# Allegro board BeagleBone_Green_v1.brd (continued)
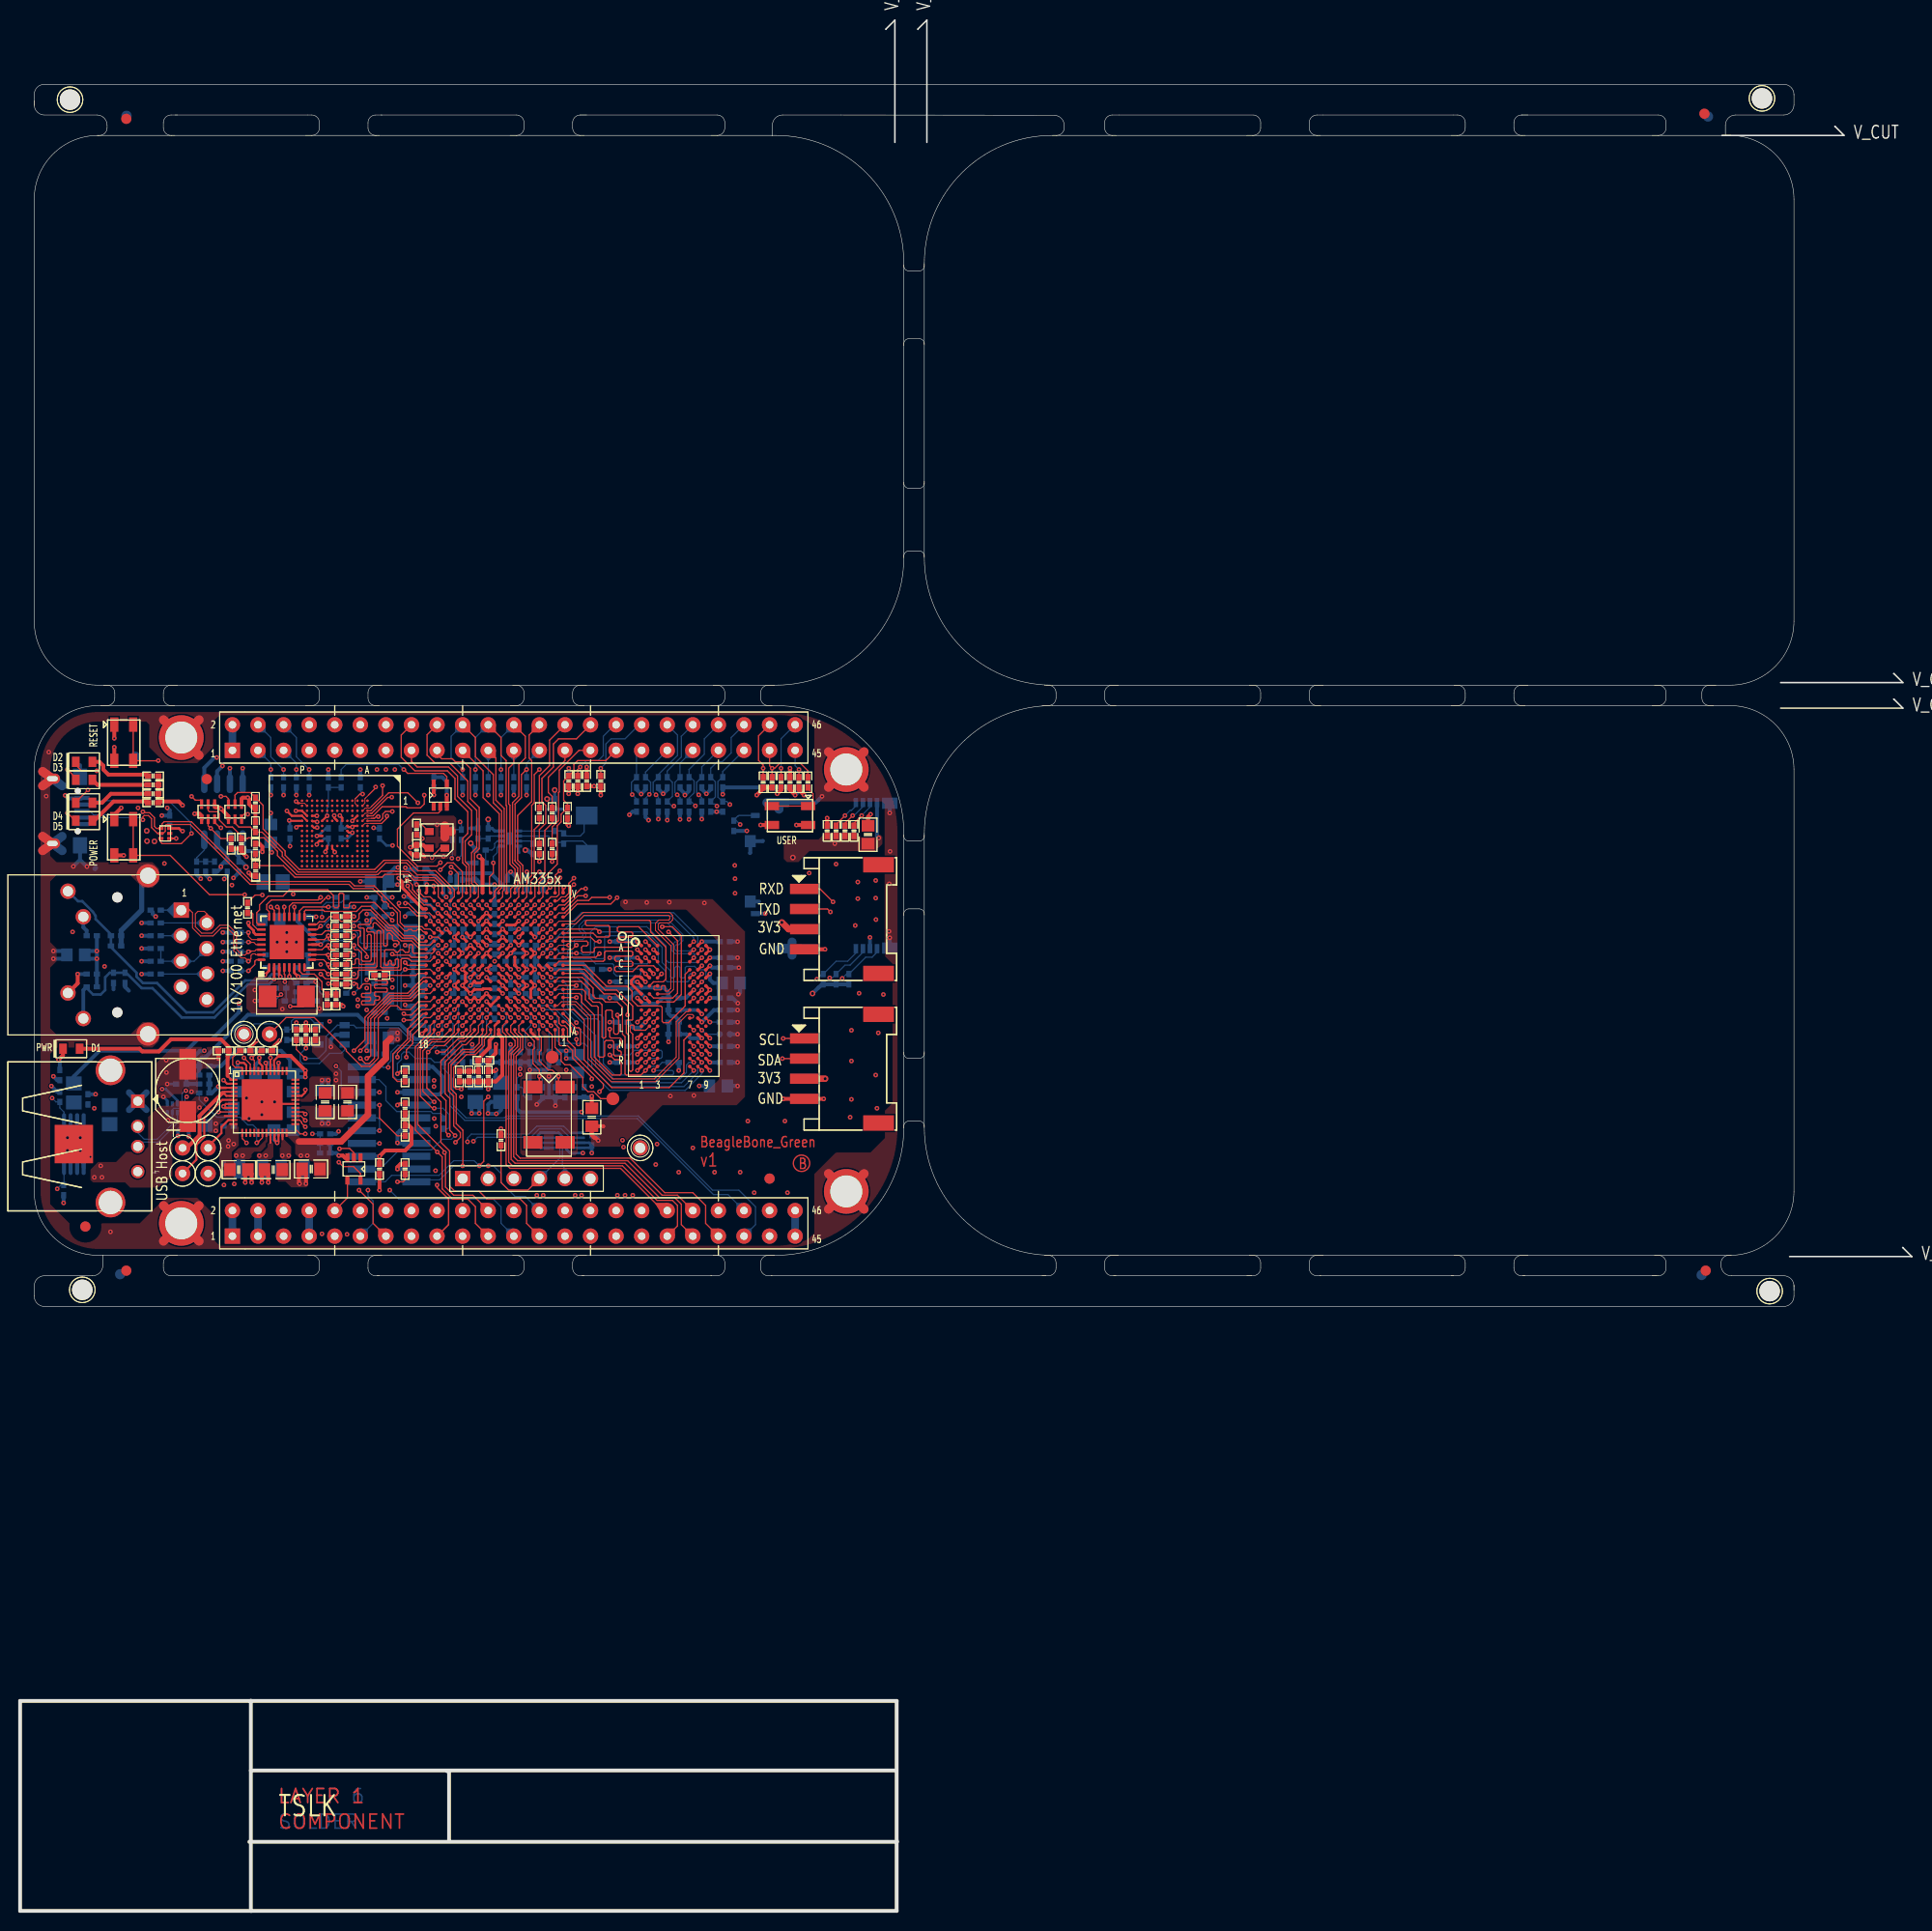
[diagram p0: board, top side]
## Routing (per net, layer and track width the routed paths; a pad name or vN(x,y) marks a point on that pad's centre or on a via; arc(x,y) is an arc through that point) (continued)
  BOTTOM w0.121: R131.1 32.38,92.43 32.51,92.56 33.27,92.56 33.66,92.94 33.66,95.42 v1(33.15,95.92)
MII1_RXD0: length 24.3
  TOP w0.121: U5.M16 41.52,96.74 v1(40.72,96.74) ; R128.1 33.15,96.69 v1(33.15,96.88)
  LYR3 w0.133: v1(40.72,96.74) 40.31,97.14 34.04,97.14 33.76,97.42 32.77,97.42 32.64,97.55 32.64,98.15 32.77,98.27 33.68,98.27 33.78,98.37 33.78,99.19 33.68,99.29 32.77,99.29 32.64,99.42 32.64,100.05 32.77,100.18 33.68,100.18 33.78,100.28 33.78,101.09 33.68,101.19 32.36,101.19 32.26,101.09 32.26,96.98 32.36,96.88 v1(33.15,96.88)
MII1_RXD1: length 24.6
  TOP w0.121: v1(33.15,94.97) 32.89,95.22 32.64,95.22 R127.1 ; U5.L15 v1(42.32,95.14)
  LYR3 w0.121: v1(42.32,95.14) 41.92,94.74 41.15,94.74
  LYR3 w0.133: 41.15,94.74 40.47,94.74 39,96.21 38.73,96.21 38.63,96.11 38.63,95.66 38.51,95.53 37.82,95.53 37.72,95.63 37.72,96.24 37.59,96.37 36.65,96.37 36.55,96.27 36.55,95.81 36.47,95.73 36.3,95.73 36.2,95.83 36.2,96.27 36.09,96.37 35.92,96.37 35.81,96.27 35.81,95.83 35.71,95.73 35.53,95.73 35.43,95.83 35.43,96.27 35.33,96.37 35.15,96.37 35.05,96.27 35.05,95.83 34.95,95.73 34.77,95.73 34.67,95.83 34.67,96.27 34.57,96.37 34.39,96.37 34.29,96.27 34.29,95.99 33.55,95.25 33.55,94.74 33.27,94.46 32.38,94.46 31.01,95.83 31.01,97 31.14,97.13 31.37,97.13 31.5,97 31.5,96.09 32.36,95.22 32.89,95.22 v1(33.15,94.97)
MII1_RXD2: length 24.2
  TOP w0.121: R126.1 32.38,94.36 32.49,94.46 32.79,94.46 32.89,94.36 32.89,94.12 32.99,94.02 33.17,94.02 33.27,94.12 33.27,94.49 33.38,94.59 33.55,94.59 33.66,94.49 33.66,94.12 33.76,94.02 35.05,94.02 35.18,94.15 35.18,97.16 35.08,97.26 34.52,97.26 34.42,97.36 34.42,97.54 34.52,97.64 34.95,97.64 35.05,97.74 35.05,98.04 35.15,98.15 35.34,98.15 36.08,97.4 36.08,95.97 36.2,95.86 36.35,95.86 36.47,95.97 36.47,97.03 36.57,97.14 36.7,97.14 36.97,96.87 36.97,96.48 37.07,96.38 37.46,96.38 37.61,96.24 37.61,96.07 37.46,95.92 37.25,95.92 v1(37.24,95.94) ; U5.L16 v1(42.32,95.94)
  BOTTOM w0.121: v1(37.24,95.94) 37.35,96.05 37.62,96.05 37.74,95.93 37.74,94.79 37.87,94.67 38.4,94.67 38.61,94.46 40.51,94.46 40.77,94.72 40.77,94.95 41.35,95.54 42.17,95.54 42.32,95.68 v1(42.32,95.94)
MII1_RXD3: length 24.2
  TOP w0.121: U5.L17 41.12,95.32 40.93,95.14 39.09,95.14 38.99,95.24 38.99,95.89 38.89,95.99 38.71,95.99 38.63,95.9 38.63,95.33 38.53,95.22 38.25,95.22 38,95.48 37.74,95.48 37.49,95.22 37.34,95.22 37.08,95.48 36.3,95.48 36.2,95.38 36.2,94.06 36.3,93.95 36.47,93.95 36.58,94.06 36.58,94.29 36.7,94.41 36.78,94.41 36.86,94.33 36.86,94.06 36.96,93.95 37.15,93.95 37.26,94.06 37.26,94.47 37.36,94.57 37.49,94.57 37.58,94.48 37.58,93.79 37.49,93.7 35.92,93.7 35.81,93.8 35.81,97.28 35.71,97.38 35.53,97.38 35.43,97.28 35.43,93.83 35.31,93.7 33.02,93.7 R125.1
MII1_RXDV: length 25.6
  TOP w0.121: U5.J17 v1(41.52,94.34) ; v1(24.05,100.91) 23.34,100.91 R129.1
  LYR3 w0.133: v1(24.05,100.91) 24.18,100.79 24.18,99.03 25.35,97.87 26.77,97.87 30.15,94.49 31.04,94.49 31.72,93.8 33.38,93.8 34.02,94.45 34.02,94.99 34.21,95.17 36.09,95.17 36.73,94.54 37.11,94.54 37.77,95.2 39.62,95.2 40.36,94.46 41.39,94.46 v1(41.52,94.34)
MII1_RXERR: length 24.5
  TOP w0.121: R133.1 32.38,97.26 32.47,97.35 32.79,97.35 32.83,97.38 33.69,97.38 33.79,97.28 33.79,96.88 33.55,96.65 33.55,95.96 34.42,95.1 34.42,94.78 v1(34.43,94.77) ; U5.J15 v1(42.32,94.34)
  LYR3 w0.121: v1(42.32,94.34) 41.92,93.94 41.26,93.94
  LYR3 w0.133: 41.26,93.94 40.87,93.94 40.7,94.11 40.41,94.11 40.31,94.01 40.31,93.7 40.22,93.61 39.95,93.61 39.85,93.7 39.85,94.56 39.73,94.69 39.52,94.69 39.45,94.62 39.45,93.68 39.35,93.58 39.16,93.58 38.99,93.75 38.99,94.51 38.61,94.89 37.95,94.89 37.54,94.49 37.54,93.73 37.41,93.6 37.13,93.6 37.06,93.67 37.06,94.14 36.97,94.23 36.78,94.23 36.68,94.13 36.68,93.7 36.58,93.6 36.36,93.6 36.22,93.73 36.22,94.7 36.1,94.82 35.92,94.82 35.81,94.72 35.81,93.72 35.72,93.63 35.49,93.63 35.36,93.76 35.36,94.74 35.2,94.89 35.03,94.89 34.9,94.77 34.9,93.68 34.81,93.58 34.49,93.58 34.39,93.68 34.39,94.73 v1(34.43,94.77)
MII1_TXCLK: length 22.8
  TOP w0.121: v1(36.95,95.05) 37.03,95.05 37.13,94.95 38.65,94.95 38.86,94.74 U5.K18
  LYR3 w0.133: v1(29.97,98.73) 29.59,98.35 28.73,98.35 28.63,98.25 28.63,97.99 28.73,97.89 29.03,97.89 29.22,97.71 29.22,97.52 29.03,97.33 28.19,97.33 28.12,97.26 28.12,96.96 28.25,96.82 28.78,96.82 29.13,96.47 29.13,96.06 29.74,95.45 30.89,95.45 32.23,94.11 33.27,94.11 33.79,94.62 33.79,95.13 34.11,95.45 36.54,95.45 v1(36.95,95.05)
  BOTTOM w0.121: R134.1 31.88,100.18 30.4,100.18 29.97,99.75 v1(29.97,98.73)
MII1_TXD0: length 28
  TOP w0.121: U14.22 25.73,99.53 v1(25.53,99.73) ; v1(29.84,93.07) 30.32,92.59 33.4,92.59 33.55,92.73 33.55,93.34 33.66,93.45 37.74,93.45 37.83,93.53 37.83,94.51 37.93,94.61 38.59,94.61 38.86,94.34 40.72,94.34 U5.K17
  LYR4 w0.133: v1(25.53,99.73) 26.1,99.16 26.64,99.16 26.78,99.02 26.78,98.79 26.67,98.68 26.24,98.68 26.14,98.58 26.14,98.22 26.21,98.15 27.66,98.15 28,97.8 28,97.55 27.91,97.46 27.34,97.46 27.2,97.33 27.2,97 27.33,96.88 28.57,96.88 28.73,96.72 28.73,96.24 28.57,96.09 28.12,96.09 28.02,95.99 28.02,95.55 28.09,95.48 28.6,95.48 28.73,95.35 28.73,93.93 29.08,93.57 29.34,93.57 v1(29.84,93.07)
MII1_TXD1: length 28
  TOP w0.121: v1(41.52,95.14) U5.K16 ; v1(24.89,99.73) 25.23,99.4 U14.23
  LYR3 w0.133: v1(24.89,99.73) 25.46,99.16 27.18,99.16 27.34,99 27.34,98.81 27.18,98.65 25.53,98.65 25.4,98.52 25.4,98.34 25.5,98.23 28.21,98.23 28.5,98.53 28.5,98.98 28.8,99.29 31.24,99.29 31.75,98.78 31.75,96.24 32.47,95.52 33.32,95.52 33.55,95.75 33.55,96.09 34.09,96.62 39.01,96.62 40.5,95.14 v1(41.52,95.14)
MII1_TXD2: length 28.1
  TOP w0.121: v1(29.84,100.69) 29.59,100.43 24.96,100.43 24.49,99.97 24.49,99.5 24.73,99.26 U14.24 ; U5.K15 v1(43.12,95.14)
  LYR3 w0.121: v1(43.12,95.14) 43.12,95.14 42.72,95.54 41.27,95.54
  LYR3 w0.133: 41.27,95.54 40.48,95.54 39.14,96.88 33.91,96.88 33.43,96.4 32.11,96.4 32,96.5 32,101.7 31.88,101.83 29.97,101.83 29.84,101.7 v1(29.84,100.69)
MII1_TXD3: length 28.3
  TOP w0.121: U5.J18 38.47,93.94 38.23,94.18 v1(38.23,94.21) ; U14.25 23.69,97.99 23.49,98.18 23.49,99.16 23.77,99.44 23.77,99.95 24.64,100.81 26.11,100.81 26.75,101.45 30.53,101.45 31.11,100.86 31.11,99.79 31.24,99.67 31.52,99.67 31.65,99.8 31.65,100.99 31.75,101.09 32.03,101.09 32.13,100.99 32.13,99.72 32.19,99.66 32.6,99.66 32.69,99.75 32.69,100.05 32.82,100.18 35.18,100.18 v1(36.96,98.4)
  LYR4 w0.133: v1(38.23,94.21) 37.72,94.72 37.72,97.64 v1(36.96,98.4)
MII1_TXEN: length 28.5
  TOP w0.121: v1(26.23,99.73) U14.21 ; v1(41.52,93.54) U5.J16
  LYR3 w0.133: v1(41.52,93.54) 41.3,93.32 41.29,93.33 39.39,93.33 39.38,93.32 39.05,93.32 38.73,93.64 38.73,94.31 38.4,94.64 38.05,94.64 37.8,94.39 37.8,93.47 37.64,93.32 34.29,93.32 34.14,93.47 34.14,93.7 34.01,93.83 33.81,93.83 33.66,93.68 33.66,92.79 33.43,92.56 32.72,92.56 32.59,92.69 32.59,93.29 32.41,93.47 32.16,93.47 32.03,93.34 32.03,92.2 31.86,92.03 31.64,92.03 31.55,92.13 31.55,93.55 31.42,93.68 31.06,93.68 30.86,93.47 29.95,93.47 29.82,93.61 29.82,93.99 v1(29.84,94.02)
  LYR4 w0.133: v1(26.23,99.73) 26.5,99.73 29.16,97.08 29.16,94.26 29.4,94.02 v1(29.84,94.02)
MMC0_CD: length 80.4
  TOP w0.121: v1(42.32,88.73) U5.C15
  LYR3 w0.133: v1(36.55,83.79) 36.73,83.97 47.83,83.97 48.79,84.94 53.11,84.94 53.8,84.25 54.61,84.25 55.91,82.96 55.91,81.13 56.62,80.42 68.12,80.42 72.47,84.76 72.47,99.75 71.5,100.71 v1(71.5,107.92)
  BOTTOM w0.121: v1(71.5,107.92) 71.12,108.31 R157.1 70.87,108.37 71.25,108.76 71.32,108.76 71.38,108.82 P10.10 ; P2.19 36,83.86 36.07,83.79 v1(36.55,83.79) 36.55,84.17 36.82,84.44 36.82,85.31 37.49,85.98 40.93,85.98 41.92,86.97 41.92,88.33 v1(42.32,88.73)
MMC0_CLKO: length 81.6
  TOP w0.121: v1(33.15,85.45) 34.24,86.54 34.24,88.76 36.64,91.16 38.48,91.16 40.06,92.74 40.72,92.74 U5.G17
  LYR3 w0.133: v1(33.15,85.45) 33.14,85.44 33.14,84.42 35.38,82.18 39.95,82.18 40.67,82.91 43.88,82.91 46.39,80.39 47.45,80.39 48.87,78.97 48.87,77.04 49.66,76.24 54.2,76.24 57.23,79.27 69.48,79.27 74.02,83.81 74.02,88.03 79.08,93.09 81.18,93.09 v1(81.64,92.63)
  BOTTOM w0.121: v1(81.64,92.63) 82.07,93.07 R152.2 83.97,94.74 84.61,94.74 85.09,95.23 P10.5
MMC0_CMD: length 92.7
  TOP w0.121: U5.G18 40.04,92.34 38.61,90.91 36.74,90.91 34.54,88.71 34.54,86.21 v1(33.78,85.45) ; R151.2 82.8,108.05 v1(83.57,108.81)
  LYR3 w0.133: v1(33.78,85.45) 33.38,85.04 33.38,84.52 35.47,82.42 39.85,82.42 39.95,82.52 39.95,82.52 40.57,83.14 44.7,83.14 45.64,82.19 46.53,82.19 49.15,79.58 49.15,77.09 49.76,76.48 54,76.48 57.09,79.57 69.45,79.57 73.56,83.68 73.56,94.1 83.06,103.6 83.06,108.18 83.57,108.69 v1(83.57,108.81)
  BOTTOM w0.121: v1(83.57,108.81) 84.39,109.64 P10.3
MMC0_DAT0: length 69.6
  TOP w0.121: v1(41.52,91.94) U5.G16
  LYR3 w0.133: v1(80.39,92.68) 79.63,91.92 78.83,91.92 74.68,87.77 74.68,83.8 69.61,78.74 57.51,78.74 54.54,75.77 49.47,75.77 48.26,76.98 48.26,78.78 47.31,79.73 46.39,79.73 44.07,82.04 41.68,82.04 41.53,81.89 v1(41.1,81.89)
  LYR4 w0.133: v1(41.52,91.94) 41.32,91.94 39.22,89.84 39.22,86.72 39.67,86.26 39.67,83.24 41.02,81.89 v1(41.1,81.89)
  BOTTOM w0.121: P10.7 83.69,95.22 82.42,93.95 81.92,93.95 R153.2 80.65,92.68 v1(80.39,92.68)
MMC0_DAT1: length 68.5
  TOP w0.121: v1(42.32,91.94) U5.G15
  LYR3 w0.133: v1(41.1,82.5) 43.95,82.5 46.4,80.05 47.33,80.05 48.51,78.86 48.51,77.06 49.56,76.01 54.39,76.01 57.38,78.99 69.53,78.99 74.4,83.86 74.4,87.83 v1(79.12,92.56)
  LYR4 w0.121: 39.98,86.5 39.98,83.62 v1(41.1,82.5) ; 39.47,87.22 39.47,87 39.51,86.97 ; 41.13,91.32 41.35,91.54 41.92,91.54 v1(42.32,91.94)
  LYR4 w0.133: 39.47,87.22 39.47,89.66 41.13,91.32 ; 39.98,86.5 39.51,86.97
  BOTTOM w0.121: v1(79.12,92.56) 79.63,93.07 R154.2 81.03,94.34 82.17,94.34 82.99,95.16 P10.8
MMC0_DAT2: length 87.2
  TOP w0.121: R150.2 81.03,107.92 v1(81.92,108.81) ; v1(34.42,84.68) 34.54,84.68 34.82,84.96 34.82,88.64 36.84,90.66 38.74,90.66 39.62,91.54 U5.F18
  LYR3 w0.133: v1(34.42,84.68) 35.97,83.13 36.68,83.13 37.21,83.67 44.96,83.67 45.54,83.08 47.37,83.08 48.84,84.56 53.04,84.56 53.64,83.95 54.51,83.95 55.63,82.83 55.63,80.92 56.44,80.11 68.25,80.11 72.92,84.79 72.92,94.18 82.19,103.45 82.19,108.41 81.92,108.69 v1(81.92,108.81)
  BOTTOM w0.121: v1(81.92,108.81) 82.42,109.32 82.55,109.32 82.99,109.76 P10.1
MMC0_DAT3: length 90.6
  TOP w0.121: v1(82.68,108.81) 81.92,108.05 R155.2 ; v1(33.78,84.68) 34.29,84.18 34.67,84.18 35.18,84.68 35.18,88.65 36.94,90.41 38.86,90.41 39.58,91.13 40.71,91.13 U5.F17
  LYR3 w0.133: v1(33.78,84.68) 35.71,82.75 39.85,82.75 40.47,83.38 44.84,83.38 45.75,82.47 47.32,82.47 49.15,84.3 52.83,84.3 54.1,83.03 54.91,83.03 55.37,82.58 55.37,80.77 56.34,79.81 68.28,79.81 73.25,84.78 73.25,94.13 82.68,103.56 v1(82.68,108.81)
  BOTTOM w0.121: P10.2 83.69,109.7 82.8,108.81 v1(82.68,108.81)
MMC1_CLK: length 41.5
  TOP w0.121: P8.21 47.24,114.53 47.24,110.34 48.07,109.51 48.07,101.45 47.92,101.3 47.92,101.11 47.92,101.1 47.92,100.74 U5.U9
  TOP w0.203: v1(29.49,107.62) 29.47,107.6 29.18,107.6 U13.M6
  LYR4 w0.133: v1(29.49,107.62) 29.66,107.62 30.83,106.45 35.89,106.45 38.3,108.86 38.3,109.78 41.4,112.88 45.28,112.88 46.48,114.08 P8.21
  BOTTOM w0.121: R110.2 P8.21
MMC1_CMD: length 43.6
  TOP w0.121: P8.20 45.21,116.56 45.21,114.66 46.99,112.88 46.99,110.08 47.82,109.25 47.82,101.64 47.52,101.34 U5.V9
  TOP w0.203: v1(29.49,108.18) 29.42,108.25 29.03,108.25 U13.M5
  LYR4 w0.133: v1(43.94,113.39) 41.4,113.39 38.05,110.03 38.05,108.97 35.79,106.71 31.07,106.71 29.6,108.18 v1(29.49,108.18)
  BOTTOM w0.121: R109.2 v1(43.94,113.39) 42.8,114.53 42.8,116.69 P8.20
MMC1_DAT0: length 35.5
  TOP w0.121: v1(39.5,110.08) 38.51,111.07 36.6,111.07 34.81,109.29 U13.A3 ; v1(50.29,113.39) 49.78,112.88 49.78,110.59 49.15,109.96 49.15,104.37 49.16,104.36 49.16,104.27 49.66,103.76 49.66,101.7 49.52,101.56 49.52,100.74 U5.U7
  LYR4 w0.133: v1(50.29,113.39) 48.77,111.86 42.67,111.86 40.89,110.08 v1(39.5,110.08)
  BOTTOM w0.121: P8.25 50.29,114.02 v1(50.29,113.39) R101.2
MMC1_DAT1: length 39.5
  TOP w0.121: P8.24 50.16,116.69 50.16,114.53 49.53,113.89 49.53,110.72 48.89,110.08 48.89,104.11 49.4,103.61 49.4,101.83 49.12,101.54 U5.V7 ; U13.A4 35.05,108.79 35.95,109.68 38.32,109.68 38.43,109.58 39.75,109.58 40.13,109.96 v1(40.13,110.85)
  LYR4 w0.133: v1(40.13,110.85) 41.66,112.37 46.74,112.37 v1(47.75,113.39)
  BOTTOM w0.121: P8.24 47.75,116.56 v1(47.75,113.39) R102.2
MMC1_DAT2: length 41.4
  TOP w0.121: v1(36.96,109.22) 36.27,109.22 36.02,108.97 36.02,108.56 35.74,108.29 U13.A5 ; v1(48.72,99.14) U5.R8
  LYR3 w0.121: v1(48.72,99.14) 48.32,99.54 48.32,100.18
  LYR3 w0.133: 48.32,100.18 48.32,100.25 47.62,100.94 47.62,104.93 45.59,106.96 45.59,108.81 44.07,110.34 39.88,110.34 39.62,110.59 38.33,110.59 v1(36.96,109.22)
  LYR4 w0.133: v1(36.96,109.22) 36.96,108.46 35.69,107.19 34.69,107.19 30.53,111.35 29.08,111.35 27.43,113 v1(27.43,113.39)
  BOTTOM w0.121: P8.5 27.43,114.02 v1(27.43,113.39) R103.2
MMC1_DAT3: length 38.9
  TOP w0.076: 34.59,110.85 34.32,110.57 34.24,110.49 34.24,110.05 33.99,109.8 U13.B2
  TOP w0.121: v1(48.72,99.94) U5.T8 ; 34.59,110.85 35.31,111.56 v1(35.31,111.65)
  LYR3 w0.133: v1(48.72,99.94) 48.72,100.36 47.89,101.19 47.89,105.05 45.85,107.09 45.85,109.07 44.45,110.46 44.45,111.1 44.17,111.38 35.58,111.38 v1(35.31,111.65)
  LYR4 w0.133: v1(28.7,113.39) 29.59,112.5 31.78,112.5 32.63,111.65 v1(35.31,111.65)
  BOTTOM w0.121: P8.6 27.43,116.56 27.43,114.66 v1(28.7,113.39) R104.2
MMC1_DAT4: length 38.1
  TOP w0.076: U13.B3 34,109.29 34.26,109.54 34.39,109.54 34.71,109.54 34.89,109.72
  TOP w0.121: v1(35.99,111.79) 35.99,110.82 34.89,109.72 ; P8.23 49.02,114.02 48.51,113.51 48.51,109.96 48.64,109.83 48.64,103.99 49.15,103.48 49.15,101.96 48.72,101.52 48.72,100.74 U5.U8
  LYR4 w0.133: P8.23 48.01,116.31 40.64,116.31 40.13,115.8 40.13,114.53 37.39,111.79 v1(35.99,111.79)
  BOTTOM w0.121: R105.2 P8.23
MMC1_DAT5: length 36.7
  TOP w0.076: U13.B4 34.01,108.79 34.26,109.04 34.79,109.04
  TOP w0.121: U5.V8 48.32,109.77 48.26,109.83 48.26,114.27 47.75,114.78 47.75,116.56 P8.22 ; v1(36.91,110.64) 36.88,110.62 36.5,110.62 34.93,109.04 34.92,109.04 34.92,109.04 34.79,109.04
  LYR4 w0.133: v1(36.91,110.64) 36.93,110.62 38.13,110.62 41.3,113.79 44.81,113.79 v1(45.21,113.39)
  BOTTOM w0.121: P8.22 45.21,116.56 v1(45.21,113.39) R106.2
MMC1_DAT6: length 40.4
  TOP w0.076: 34.87,108.53 34.25,108.53 34,108.29 U13.B5
  TOP w0.121: 34.87,108.53 35.05,108.53 35.18,108.53 35.37,108.73 35.54,108.73 v1(35.56,108.71) ; v1(47.92,99.14) U5.R9
  LYR3 w0.133: v1(35.56,108.71) 36.02,108.25 38.68,108.25 39.88,109.45 44.07,109.45 45.09,108.43 45.09,106.7 46.1,105.69 46.1,100.95 v1(47.92,99.14)
  LYR4 w0.133: v1(24.89,113.39) 25.65,114.15 27.94,114.15 28.3,113.79 28.3,113.16 29.34,112.12 30.48,112.12 34.06,108.54 35.18,108.54 35.36,108.72 35.55,108.72 v1(35.56,108.71)
  BOTTOM w0.121: P8.3 24.89,114.02 v1(24.89,113.39) R107.2
MMC1_DAT7: length 42.9
  TOP w0.076: U13.B6 34.25,108.04 34.8,108.04 34.82,108.03
  TOP w0.121: 34.82,108.03 35.89,108.03 36.42,108.56 v1(36.42,108.76) ; v1(47.92,99.94) U5.T9
  LYR3 w0.133: v1(47.92,99.94) 46.48,101.37 46.48,105.64 45.34,106.78 45.34,108.69 44.07,109.96 40,109.96 38.73,108.69 36.5,108.69 v1(36.42,108.76)
  LYR4 w0.133: v1(36.42,108.76) 35.84,108.18 34.04,108.18 30.48,111.73 29.21,111.73 27.94,113 27.94,113.51 27.66,113.79 26.57,113.79 v1(26.16,113.39)
  BOTTOM w0.121: P8.4 24.89,116.56 24.89,114.66 v1(26.16,113.39) R108.2
MODE2: length 3.9
  TOP w0.121: U14.15 29.51,97.49 v1(29.84,97.83)
  BOTTOM w0.121: v1(29.84,97.83) 30.06,97.83 30.21,97.97 30.21,97.99 30.44,98.23 30.46,98.23 31.01,98.78 R113.1 R138.2
OSC1_IN: length 8.2
  TOP w0.121: U5.A6 51.05,86.4 51.05,85.7 50.93,85.57 50.93,84.18 51.56,83.54 v1(51.56,82.91) 51.56,82.08 51.33,81.84 Y1.1
  BOTTOM w0.121: C21.2 51.88,82.59 v1(51.56,82.91)
OSC1_OUT: length 8.6
  TOP w0.121: Y1.4 53.7,81.84 53.47,82.08 v1(53.47,82.91) 52.83,83.54 52.45,83.54 51.56,84.43 51.56,85.32 51.75,85.51 51.75,86.78 51.52,87.01 U5.A4
  BOTTOM w0.121: v1(53.47,82.91) 53.15,82.59 C22.2
P_BYPASS: length 2.6
  TOP w0.203: v1(21.62,84.28) 21.65,84.24 22.22,84.24 22.46,84.01 U2.47
  BOTTOM w0.381: v1(21.62,84.28) 21.59,84.25 C4.2
P_INT_LDO: length 3.1
  TOP w0.121: U2.48 22.06,83.71 21.97,83.79 21.36,83.79 21.11,84.05 21.11,84.77 21.78,85.45 C3.2
P_L1: length 1
  TOP w0.203: U2.20 24.86,76.3
  vias: v1(23.75,75.03) v1(24.38,75.03)
P_L2: length 0.6
  TOP w0.203: 26.06,76.66 U2.23
  vias: v1(26.04,75.03) v1(26.67,75.03)
P_L3: length 2.9
  BOTTOM w0.381: v1(30.61,82.52) v1(29.97,82.52) 29.97,81.83 L3.1 30.61,81.83 v1(30.61,82.52)
PHY_VDDCR: length 4.1
  TOP w0.254: U14.6 27.23,93.19 27.61,92.81 v1(27.62,92.81)
  BOTTOM w0.381: v1(27.62,92.81) 28.33,92.81 28.57,93.06 C134.1 C136.1
PHY_XTAL1: length 6.5
  TOP w0.152: Y3.1 28.38,90.13 28.09,89.84 26.84,89.84 v1(26.82,89.86)
  BOTTOM w0.121: v1(26.82,89.86) 26.83,89.87 28.17,89.87 28.45,90.14 C143.1 R141.2 27.3,91.16 R142.1
PHY_XTAL2: length 3.5
  TOP w0.121: v1(26.29,92.3) 26.29,92.31 26.29,93 26.23,93.06 U14.4
  BOTTOM w0.121: v1(26.29,92.3) 26.42,92.18 R143.1 26.42,90.53 R141.1
PHYX: length 3.8
  TOP w0.121: Y3.2 25.72,90.84 v1(25.91,91.03)
  BOTTOM w0.121: R143.2 25.4,91.41 25.15,91.16 C142.1 25.27,90.4 v1(25.91,91.03)
PMIC_INT: length 23.8
  TOP w0.121: U5.B18 38.99,87.01 38.99,86.16 38.35,85.52 v1(38.35,84.81) ; U2.45 23.26,84.48 v1(22.99,84.75) 23.05,84.75 23.75,85.45 R1.2
  LYR3 w0.133: v1(38.35,84.81) 37.85,84.3 36.2,84.3 34.54,85.95 31.88,85.95 31.11,85.19 23.43,85.19 v1(22.99,84.75)
PMIC_PGOOD: length 32.9
  TOP w0.121: v1(42.32,87.93) U5.B15 ; v1(31.71,75.71) 31.75,75.74 32.72,75.74 33.15,75.31 U16.2 ; U2.26 27.75,78.57 27.95,78.36 27.95,78.26 v1(28.32,77.89)
  LYR3 w0.121: v1(42.32,87.93) 41.92,88.33 41.34,88.33
  LYR3 w0.133: v1(31.71,75.71) 31.7,75.71 31.68,75.69 31.09,75.69 28.9,77.89 v1(28.32,77.89) ; v1(30.73,88.37) 30.99,88.11 31.75,88.11 32.77,89.13 34.22,89.13 34.25,89.1 34.59,89.1 34.61,89.13 36.96,89.13 37.59,88.49 37.59,88.37 38.1,87.86 40.26,87.86 40.73,88.33 41.34,88.33
  LYR4 w0.133: v1(30.73,88.37) 29.46,87.1 29.46,79.03 v1(28.32,77.89)
PMIC_POWR_EN: length 65.4
  TOP w0.121: v1(50.32,88.73) U5.C6 ; v1(19.68,79.37) U2.9
  LYR3 w0.133: v1(59.92,75.87) 57.84,73.79 47.83,73.79 47.14,74.47 43.23,74.47 42.86,74.1 36.11,74.1 35.58,73.58 31.07,73.58 30.51,74.14 24,74.14 21.46,76.68 21.46,77.59 v1(19.68,79.37)
  LYR4 w0.133: v1(50.32,88.73) 50.32,87.58 51.82,86.08 54.61,86.08 56.13,84.56 56.39,84.56 59.31,81.64 59.31,76.43 59.87,75.87 v1(59.92,75.87)
PROC_A15: length 14
  TOP w0.121: U5.A15 42.32,87.13 41.77,86.59 40.74,86.59 39.74,85.59 39.74,80.94 40.94,79.73 v1(41.12,79.73)
  BOTTOM w0.121: v1(41.12,79.73) 41.99,79.73 42.6,79.12 42.6,77.82 42.48,77.7 R18.1
PWR_BUT: length 56.3
  TOP w0.121: S3.2 S3.4 14.91,104.85 18.81,100.95 v1(22.3,100.95) ; U2.25 27.33,77.67 27.81,77.19 v1(28.32,77.19)
  LYR4 w0.133: v1(22.3,100.95) 24.64,98.62 24.64,96.48 28.79,92.33 28.79,87.82 27.91,86.94 27.91,77.6 v1(28.32,77.19) 30.28,75.23 30.28,68 P9.9
PWR_LEDR: length 2.3
  TOP w0.381: v1(3.81,84.56) 4.25,85 D1.1
  BOTTOM w0.381: v1(3.81,84.56) 3.94,84.43 R12.2
RBIAS: length 2.7
  TOP w0.121: U14.32 23.46,94.49 23.3,94.34 23.3,94.02 v1(22.67,93.38)
  BOTTOM w0.121: v1(22.67,93.38) R144.1
RCLKIN: length 8
  TOP w0.121: U14.5 26.73,93.07 26.73,93.07 v1(26.73,92.81)
  BOTTOM w0.121: v1(26.73,92.81) 27.37,92.18 C161.1 27.96,91.65 28.26,91.65 28.45,91.47 R142.2 28.45,91.08 28.62,90.91 29.04,90.91 29.21,91.08 29.21,91.72 29.34,91.85 29.64,91.85 29.74,91.74 29.74,91.28 29.97,91.06 31.27,91.06 R140.2
REFCLKO: length 8
  TOP w0.121: U14.7 27.73,93.38 28.04,93.07 29.21,93.07 29.97,92.3 29.97,91.54 C162.2 R118.1 R124.2 30.67,92.05 v1(30.61,92.11)
  BOTTOM w0.121: R131.2 v1(30.61,92.11)
RXD0/MODE0: length 4.1
  TOP w0.121: R128.2 31.37,95.61 31.24,95.48 30.73,95.48 30.61,95.61 v1(30.61,95.92) 30.42,95.92 29.98,95.49 U14.11
  BOTTOM w0.121: R128.2 v1(30.61,95.92)
RXD1/MODE1: length 4
  TOP w0.121: R127.2 31.37,94.59 31.27,94.49 30.73,94.49 30.61,94.62 v1(30.61,94.97) 30.59,94.99 30.29,94.99 U14.10
  BOTTOM w0.121: R127.2 v1(30.61,94.97)
RXD2/RMIISEL: length 4.1
  TOP w0.121: U14.9 30.14,94.49 v1(30.61,94.02) 30.61,93.7 30.73,93.57 31.24,93.57 31.37,93.7 R126.2
  BOTTOM w0.121: R126.2 v1(30.61,94.02)
RXD3/PHYAD2: length 4.3
  TOP w0.121: U14.8 28.23,93.59 28.36,93.47 30.21,93.47 v1(30.61,93.07) R125.2
  BOTTOM w0.121: R125.2 v1(30.61,93.07)
RXDV: length 2.7
  TOP w0.121: R129.2 23.01,99.14 23.11,99.03 23.11,97.96 23.58,97.49 U14.26
RXER/PHYAD0: length 4.1
  TOP w0.121: U14.13 30.22,96.49 v1(30.61,96.88) 30.61,96.53 30.73,96.4 31.27,96.4 31.37,96.49 R133.2
  BOTTOM w0.121: R133.2 v1(30.61,96.88)
RXN: length 18.4
  TOP w0.095: U14.30 23.43,95.49 23.29,95.35 22.73,95.35 v1(22.67,95.29) 22.33,94.95 22.05,94.95 21.49,95.52 21.49,97.12 20.69,97.92 19.82,97.92 19.04,97.13 18.03,97.13 17.4,97.76 17.4,99.04 17.65,99.3 18.29,99.3 18.54,99.04 P5.2
  BOTTOM w0.095: R121.1 v1(22.67,95.29)
  BOTTOM w0.121: C138.1 P5.2
RXP: length 15.9
  TOP w0.095: U14.31 23.41,94.99 23.33,95.07 23.08,95.07 22.92,94.92 22.92,94.59 v1(22.67,94.34) 22.33,94.67 21.94,94.67 21.21,95.4 21.21,97 20.57,97.64 19.94,97.64 19.15,96.85 17.92,96.85 17.12,97.65 17.12,99.16 16.87,99.42 P5.1
  BOTTOM w0.095: R120.1 v1(22.67,94.34)
  BOTTOM w0.121: C137.1 P5.1
SPI1_CS0: length 24.7
  TOP w0.121: v1(44.72,88.73) U5.C12
  LYR4 w0.133: v1(44.72,88.73) 44.72,86.98 45.31,86.39 45.31,80.98 46.43,79.86 47.34,79.86 48.39,78.82 48.39,76.05 50.57,73.86 50.57,72.09 51.08,71.58 52.1,71.58 P9.28
SPI1_D0: length 29.4
  TOP w0.121: U5.B13 v1(43.92,87.93)
  LYR4 w0.133: v1(43.92,87.93) 43.51,87.53 43.51,86.92 44.06,86.37 44.06,82.77 44.6,82.22 44.6,80.79 46.05,79.34 46.05,78.26 46.89,77.42 46.89,76.5 50.05,73.34 50.05,70.65 50.42,70.28 50.42,69.36 51.35,68.43 53.21,68.43 53.47,68.17 55.5,68.17 56.64,67.03
SPI1_D1: length 27.1
  TOP w0.121: v1(44.72,89.54) U5.D12
  LYR4 w0.121: v1(44.72,89.54) 45.12,89.14 45.12,88.24
  LYR4 w0.133: 56.64,69.57 55.93,69.57 52.83,72.66 52.83,73.16 52.08,73.91 50.9,73.91 48.69,76.12 48.69,78.87 47.37,80.19 46.43,80.19 45.55,81.07 45.55,86.58 45.12,87.01 45.12,88.24
SPI1_SCLK: length 30
  TOP w0.121: U5.A13 v1(43.92,87.13)
  LYR4 w0.133: P9.31 57.78,68.43 53.89,68.43 53.09,69.24 53.09,69.4 51.92,70.56 51.27,70.56 50.32,71.51 50.32,73.66 47.35,76.63 47.35,77.55 46.86,78.03 46.86,79.48 46.71,79.63 46.18,79.63 44.86,80.95 44.86,82.42 44.35,82.93 44.35,86.7 v1(43.92,87.13)
SYS_5V: length 67.6
  TOP w0.203: U2.21 25.26,76.57 v1(25.53,76.3) 25.66,76.43 U2.22 ; U2.8 20.35,79.77 v1(20.19,79.92) 20.44,80.17 U2.7 ; U2.2 20.55,82.17 v1(20.19,82.52) ; U2.42 24.46,84.13 v1(24.38,84.24) ; v1(28.32,81.57) 28.32,81.32 27.97,80.97 U2.32 ; U2.39 v1(25.66,84.24)
  TOP w0.381: 13.72,112.75 13.72,110.08 13.84,110.21 15.75,110.21 v1(16.13,109.83)
  LYR4 w0.381: v1(16.13,109.83) 16.18,109.78 16.18,109.04 21.29,103.94 22.17,103.94 v2(22.43,103.68) 21.77,103.03 21.77,100.63 23.37,99.03 23.37,92.43 22.77,91.84 22.77,89.67 23.98,88.47 24.92,88.47 26.31,87.08 26.31,84.89 v1(25.66,84.24)
  LYR4 w0.762: P9.8 28.7,70.08 25.18,73.6 25.18,75.95 v1(25.53,76.3)
  BOTTOM w0.381: v1(20.19,79.92) 20.38,79.73 C10.2 ; C8.2 C7.2 25.21,76.62 v1(25.53,76.3) ; v1(25.66,84.24) 25.66,83.61 C13.2 24.89,83.48 24.89,83.99 24.64,84.24 v1(24.38,84.24) ; v2(22.43,103.68) 22.35,103.76 22.35,103.86 21.97,104.24 C17.1 21.72,104.72 20.83,105.61 U4.2
  BOTTOM w0.762: P9.7 P9.8
  vias: v1(7.37,72.87) v1(8,74.02) v1(8.13,72.87) v1(14.68,78.54) v1(17.81,79.8) v1(18.47,80.62)
SYS_RESETN: length 97
  TOP w0.121: U14.19 v1(27.23,99.73) ; v1(13.72,114.27) 13.69,114.25 S1.4 S1.2 ; U5.A10 46.72,87.2 46.1,86.59 46.1,85.95 45.21,85.06 44.32,85.06 43.05,83.79 43.05,81.89 43.31,81.64 v1(43.81,81.64) ; P9.10 32.5,70.83 U16.4
  LYR3 w0.133: v1(35.69,81.32) 36.13,80.87 39.5,80.87 39.75,81.13 43.31,81.13 v1(43.81,81.64)
  LYR4 w0.133: P9.10 30.71,70.1 30.71,75.5 v1(29.02,77.19) 29.02,78.02 31.88,80.87 31.88,83.41 v1(31.37,83.92) 31.67,84.23 31.67,97.84 29.78,99.73 v1(27.23,99.73) 26.03,100.93 26.03,108.82 21.97,112.88 15.11,112.88 v1(13.72,114.27)
  BOTTOM w0.121: v1(31.37,83.92) 31.88,83.41 31.88,81.64 32.19,81.32 P2.15 v1(35.69,81.32) ; C30.1 C24.1 R14.2 v1(29.02,77.19)
TCT_RCT: length 6.4
  BOTTOM w0.121: P5.4 17.27,94.34 P5.5 R137.1 C141.1
TESTOUT: length 2.9
  TOP w0.121: U5.A3 52.83,87.02 TP3.1
TIMER4: length 33.6
  TOP w0.121: v1(49.52,99.14) U5.R7
  LYR3 w0.121: v1(49.52,99.14) 49.12,99.54 49.12,100.18
  LYR3 w0.133: v1(35.43,113.39) 36.73,112.09 43.84,112.09 44.7,111.23 44.7,110.72 45.59,109.83 45.94,109.83 47.12,108.65 47.12,106.27 48.15,105.24 48.15,101.43 49.12,100.46 49.12,100.18
  LYR4 w0.133: v1(35.43,113.39) 34.92,112.88 30.1,112.88 28.7,114.27 P8.7
TIMER5: length 30.6
  TOP w0.121: v1(50.32,99.94) U5.T6
  LYR3 w0.133: v1(50.32,99.94) 50.32,100.28 49.78,100.81 49.78,104.5 47.62,106.65 47.62,110.4 45.15,112.88 37.72,112.88 v1(37.21,113.39)
  LYR4 w0.133: P8.9 32.26,114.27 36.32,114.27 v1(37.21,113.39)
